# KiCad board Chameleon v1_0.kicad_pcb
title: Chameleon; date: 2023-08-16; rev: v1.00; company: Tweety's Wild Thinking; note: Markus Knutsson <markus.knutsson@tweety.se>; note: https://github.com/TweetyDaBird; note: Licensed under Creative Commons BY-SA 4.0 International
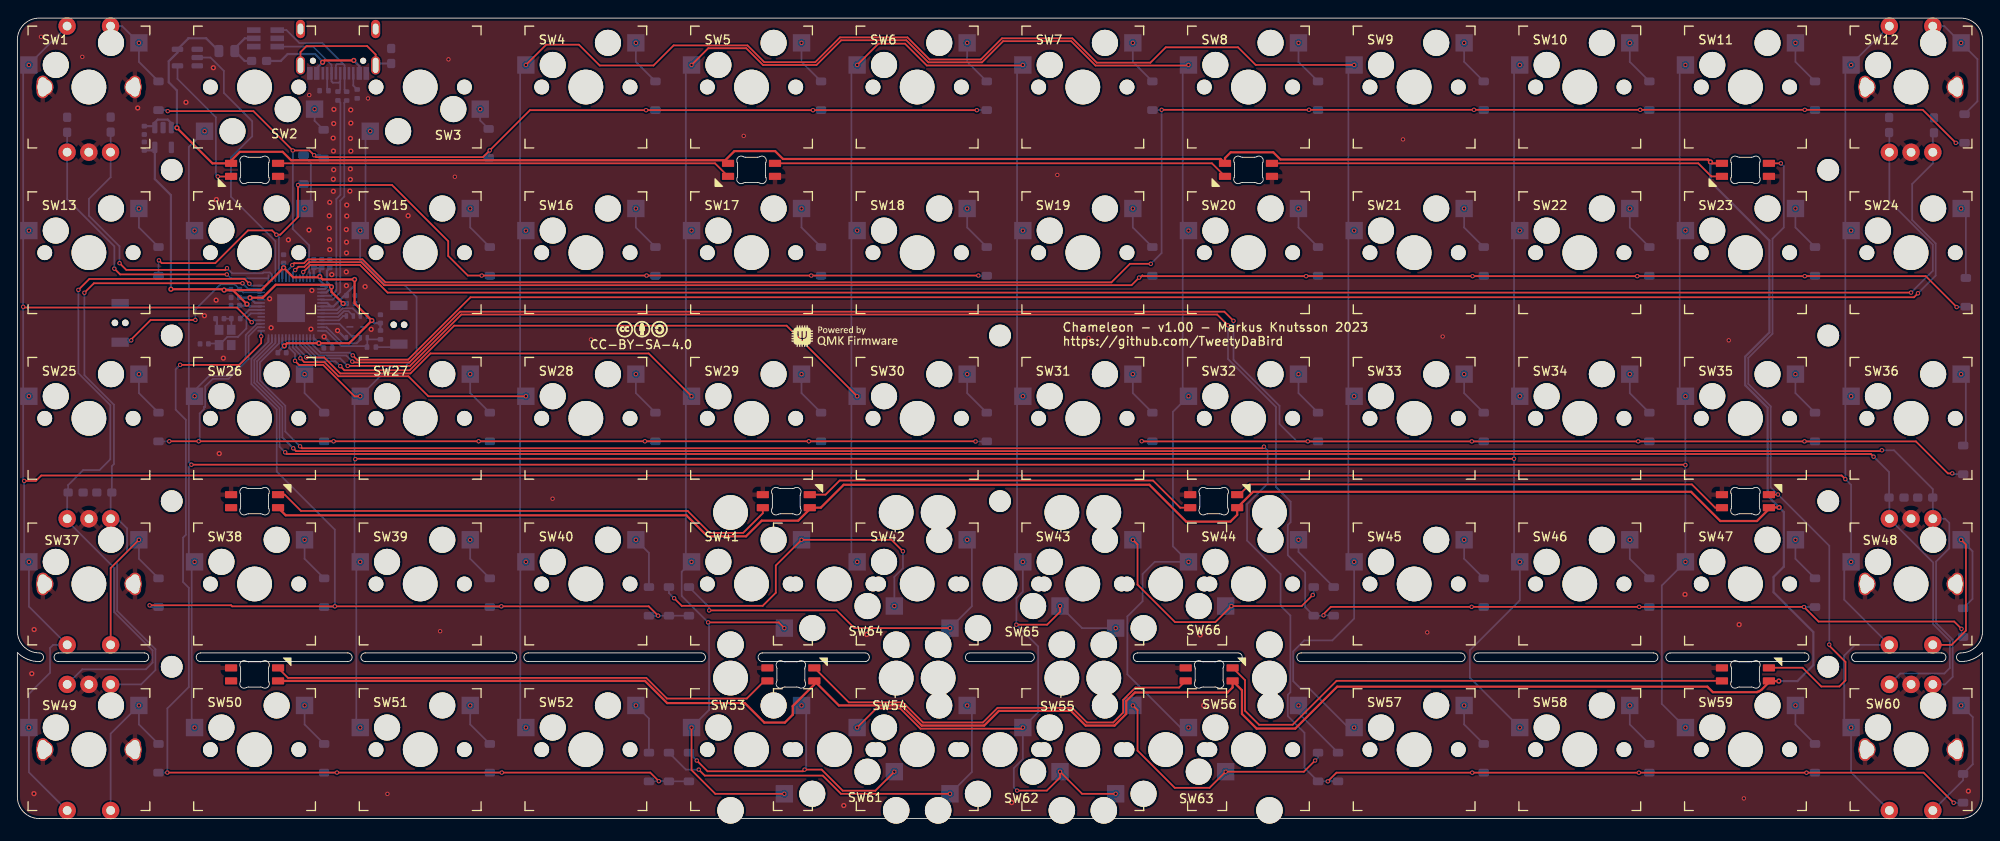
[diagram p0: board, top side]
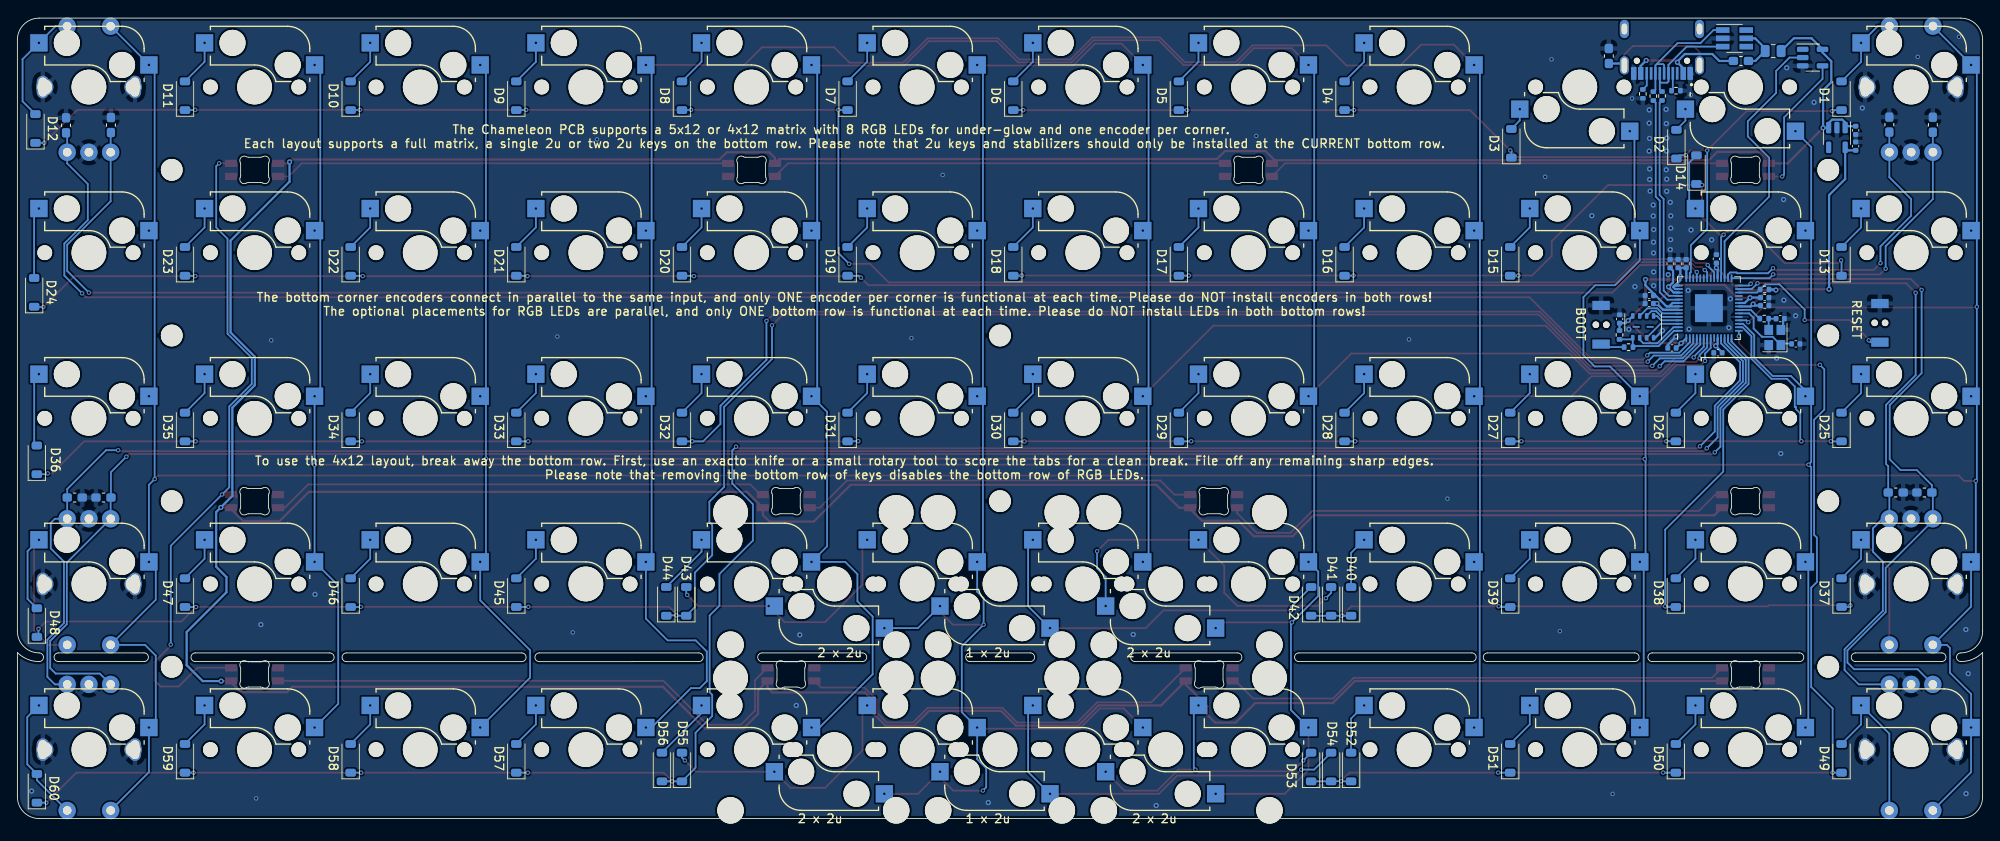
[diagram p1: board, bottom side, seen from below]

Outline 226 x 92.05 mm; copper layers: Top, Bottom. Coordinates in mm from the lower left corner of the outline.
Outline path: 2.5,18.05 arc(1.15,18.32) 0,19.09 0,2.5 arc(0.73,0.73) 2.5,0 223.5,0 arc(225.27,0.73) 226,2.5 226,19.09 arc(224.85,18.32) 223.5,18.05 ; 2.5,18.05 arc(3,18.55) 2.5,19.05 arc(0.73,19.78) 0,21.55 0,89.55 arc(0.73,91.32) 2.5,92.05 223.5,92.05 arc(225.27,91.32) 226,89.55 226,21.55 arc(225.27,19.78) 223.5,19.05 arc(223,18.55) 223.5,18.05 ; 211.44,18.05 arc(210.94,18.55) 211.44,19.05 221.28,19.05 arc(221.78,18.55) 221.28,18.05 211.44,18.05 ; 4.71,18.05 arc(4.21,18.55) 4.71,19.05 14.6,19.05 arc(15.1,18.55) 14.6,18.05 4.71,18.05 ; 21.06,19.05 37.99,19.05 arc(38.49,18.55) 37.99,18.05 21.06,18.05 arc(20.56,18.55) 21.06,19.05 ; 40,18.05 arc(39.5,18.55) 40,19.05 56.92,19.05 arc(57.42,18.55) 56.92,18.05 40,18.05 ; 58.74,18.05 arc(58.24,18.55) 58.74,19.05 78.62,19.05 arc(79.12,18.55) 78.62,18.05 58.74,18.05 ; 85.69,19.05 97.47,19.05 arc(97.97,18.55) 97.47,18.05 85.69,18.05 arc(85.19,18.55) 85.69,19.05 ; 109.53,18.05 arc(109.03,18.55) 109.53,19.05 116.44,19.05 arc(116.94,18.55) 116.44,18.05 109.53,18.05 ; 128.82,19.05 140.37,19.05 arc(140.87,18.55) 140.37,18.05 128.82,18.05 arc(128.32,18.55) 128.82,19.05 ; 147.63,18.05 arc(147.13,18.55) 147.63,19.05 165.98,19.04 arc(166.48,18.54) 165.98,18.04 147.63,18.05 ; 168,19.04 188.16,19.04 arc(188.66,18.54) 188.16,18.04 168,18.04 arc(167.5,18.54) 168,19.04 ; 190.07,18.04 arc(189.57,18.54) 190.07,19.04 205.53,19.05 arc(206.03,18.55) 205.53,18.05 190.07,18.04
Stack: Top 0.035mm / dielectric 1.51mm FR4 er 4.5 / Bottom 0.035mm

## Placement (name value [footprint] x y rotation side)
C1  1u  [C_0402_1005Metric]  35.02 63.81 90 bottom
C2  100n  [C_0402_1005Metric]  30.44 53.56 0 bottom
C3  100n  [C_0402_1005Metric]  30.61 64.36 90 bottom
C4  100n  [C_0402_1005Metric]  35.72 54.11 0 bottom
C5  100n  [C_0402_1005Metric]  38.33 60.14 0 bottom
C6  100n  [C_0402_1005Metric]  25.05 58.99 180 bottom
C7  100n  [C_0402_1005Metric]  34.09 63.81 90 bottom
C8  1u  [C_0402_1005Metric]  25.05 59.91 180 bottom
C9  100n  [C_0402_1005Metric]  35.94 63.81 90 bottom
C10  100n  [C_0402_1005Metric]  38.33 59.22 0 bottom
C11  1u  [C_0402_1005Metric]  14.59 79.14 270 bottom
C12  1u  [C_0402_1005Metric]  14.59 77.32 90 bottom
C13  100n  [C_0402_1005Metric]  41.75 57.45 90 bottom
C14  30p  [C_0402_1005Metric]  21.48 54.58 180 bottom
C15  30p  [C_0402_1005Metric]  23.27 57.48 180 bottom
C16  100nF  [C_0603_1608Metric_Pad1.08x0.95mm_HandSolder]  5.73 79.78 90 bottom
C17  100nF  [C_0603_1608Metric_Pad1.08x0.95mm_HandSolder]  10.73 79.8 270 bottom
C18  100nF  [C_0603_1608Metric_Pad1.08x0.95mm_HandSolder]  215.25 79.75 90 bottom
C19  100nF  [C_0603_1608Metric_Pad1.08x0.95mm_HandSolder]  220.41 79.72 270 bottom
C20  100nF  [C_0603_1608Metric_Pad1.08x0.95mm_HandSolder]  9.99 37.49 180 bottom
C21  100nF  [C_0603_1608Metric_Pad1.08x0.95mm_HandSolder]  6.7 37.49 180 bottom
C22  100nF  [C_0603_1608Metric_Pad1.08x0.95mm_HandSolder]  219.41 36.91 180 bottom
C23  100nF  [C_0603_1608Metric_Pad1.08x0.95mm_HandSolder]  216.1 36.91 180 bottom
D1  1N4148W  [D_SOD-123]  16.23 83.12 90 bottom
D2  1N4148W  [D_SOD-123]  35.22 77.55 90 bottom
D3  1N4148W  [D_SOD-123]  54.19 77.65 90 bottom
D4  1N4148W  [D_SOD-123]  73.38 83.12 90 bottom
D5  1N4148W  [D_SOD-123]  92.42 83.12 90 bottom
D6  1N4148W  [D_SOD-123]  111.47 83.12 90 bottom
D7  1N4148W  [D_SOD-123]  130.53 83.12 90 bottom
D8  1N4148W  [D_SOD-123]  149.57 83.12 90 bottom
D9  1N4148W  [D_SOD-123]  168.62 83.12 90 bottom
D10  1N4148W  [D_SOD-123]  187.68 83.12 90 bottom
D11  1N4148W  [D_SOD-123]  206.72 83.12 90 bottom
D12  1N4148W  [D_SOD-123]  223.92 79.36 90 bottom
D13  1N4148W  [D_SOD-123]  16.23 64.07 90 bottom
D14  1N4148W  [D_SOD-123]  32.91 74.62 90 bottom
D15  1N4148W  [D_SOD-123]  54.33 64.07 90 bottom
D16  1N4148W  [D_SOD-123]  73.38 64.07 90 bottom
D17  1N4148W  [D_SOD-123]  92.42 64.07 90 bottom
D18  1N4148W  [D_SOD-123]  111.47 64.07 90 bottom
D19  1N4148W  [D_SOD-123]  130.53 64.07 90 bottom
D20  1N4148W  [D_SOD-123]  149.57 64.07 90 bottom
D21  1N4148W  [D_SOD-123]  168.62 64.07 90 bottom
D22  1N4148W  [D_SOD-123]  187.68 64.07 90 bottom
D23  1N4148W  [D_SOD-123]  206.72 64.07 90 bottom
D24  1N4148W  [D_SOD-123]  224.08 60.51 90 bottom
D25  1N4148W  [D_SOD-123]  16.23 45.02 90 bottom
D26  1N4148W  [D_SOD-123]  35.28 45.02 90 bottom
D27  1N4148W  [D_SOD-123]  54.33 45.02 90 bottom
D28  1N4148W  [D_SOD-123]  73.38 45.02 90 bottom
D29  1N4148W  [D_SOD-123]  92.42 45.02 90 bottom
D30  1N4148W  [D_SOD-123]  111.47 45.02 90 bottom
D31  1N4148W  [D_SOD-123]  130.53 45.02 90 bottom
D32  1N4148W  [D_SOD-123]  149.57 45.02 90 bottom
D33  1N4148W  [D_SOD-123]  168.62 45.02 90 bottom
D34  1N4148W  [D_SOD-123]  187.68 45.02 90 bottom
D35  1N4148W  [D_SOD-123]  206.72 45.02 90 bottom
D36  1N4148W  [D_SOD-123]  223.77 41.25 90 bottom
D37  1N4148W  [D_SOD-123]  16.23 25.97 90 bottom
D38  1N4148W  [D_SOD-123]  35.28 25.97 90 bottom
D39  1N4148W  [D_SOD-123]  54.33 25.97 90 bottom
D40  1N4148W  [D_SOD-123]  72.62 24.97 90 bottom
D41  1N4148W  [D_SOD-123]  74.92 24.97 90 bottom
D42  1N4148W  [D_SOD-123]  77.22 24.97 90 bottom
D43  1N4148W  [D_SOD-123]  149.07 24.97 90 bottom
D44  1N4148W  [D_SOD-123]  151.38 24.97 90 bottom
D45  1N4148W  [D_SOD-123]  168.62 25.97 90 bottom
D46  1N4148W  [D_SOD-123]  187.68 25.97 90 bottom
D47  1N4148W  [D_SOD-123]  206.72 25.97 90 bottom
D48  1N4148W  [D_SOD-123]  223.76 22.53 90 bottom
D49  1N4148W  [D_SOD-123]  16.23 6.92 90 bottom
D50  1N4148W  [D_SOD-123]  35.28 6.92 90 bottom
D51  1N4148W  [D_SOD-123]  54.33 6.92 90 bottom
D52  1N4148W  [D_SOD-123]  72.62 5.92 90 bottom
D53  1N4148W  [D_SOD-123]  77.22 5.92 90 bottom
D54  1N4148W  [D_SOD-123]  74.92 5.92 90 bottom
D55  1N4148W  [D_SOD-123]  149.57 5.92 90 bottom
D56  1N4148W  [D_SOD-123]  151.88 5.92 90 bottom
D57  1N4148W  [D_SOD-123]  168.62 6.92 90 bottom
D58  1N4148W  [D_SOD-123]  187.68 6.92 90 bottom
D59  1N4148W  [D_SOD-123]  206.72 6.92 90 bottom
D60  1N4148W  [D_SOD-123]  223.76 3.48 90 bottom
ENC1  RotaryEncoder_Switch  [Encoder_Alps_EC11E_Small]  8.21 84.13 90 top
ENC2  RotaryEncoder_Switch  [Encoder_Alps_EC11E_Small]  217.78 84.12 90 top
ENC3  RotaryEncoder_Switch  [Encoder_Alps_EC11E_Small]  8.23 26.97 270 top
ENC4  RotaryEncoder_Switch  [Encoder_Alps_EC11E_Small]  217.78 26.97 270 top
ENC5  RotaryEncoder_Switch  [Encoder_Alps_EC11E_Small]  8.23 7.92 270 top
ENC6  RotaryEncoder_Switch  [Encoder_Alps_EC11E_Small]  217.78 7.92 270 top
F1  500 mA  [R_0805_2012Metric]  24.09 88.26 180 bottom
FB1  Ferrite Bead  [C_0603_1608Metric_Pad1.08x0.95mm_HandSolder]  27.8 87.12 180 bottom
FB2  Ferrite Bead  [C_0603_1608Metric_Pad1.08x0.95mm_HandSolder]  42.98 87.69 90 bottom
H1  Spacer_PCB  [Spacer Plate hole]  17.75 55.55 0 top
H2  Spacer_PCB  [Spacer Plate hole]  17.75 17.45 0 top
H3  Spacer_PCB  [Spacer Plate hole]  113 36.5 0 top
H4  Spacer_PCB  [Spacer Plate hole]  208.25 55.55 0 top
H5  Spacer_PCB  [Spacer Plate hole]  208.25 17.45 0 top
H6  Spacer_PCB  [Spacer Plate hole]  17.75 74.6 0 top
H7  Spacer_PCB  [Spacer Plate hole]  208.25 74.6 0 top
H8  Spacer_PCB  [Spacer Plate hole]  208.25 36.5 0 top
H9  Spacer_PCB  [Spacer Plate hole]  113 55.55 0 top
H10  Spacer_PCB  [Spacer Plate hole]  17.75 36.5 0 top
J1  USB_C_Receptacle_USB2.0  [HRO_TYPE-C-31-M-12]  36.88 90.8 0 bottom
Logo1  CC-BY-SA-4.0  [CC_BY_SA_40_tiny]  71.83 56.27 0 top
Logo2  QMK_Logo  [Powered_by_QMK]  95.14 55.49 0 top
R1  5.1K  [R_0402_1005Metric]  35.27 83.7 0 bottom
R2  5.1K  [R_0402_1005Metric]  39.08 83.33 270 bottom
R3  10k  [R_0402_1005Metric]  25.07 60.84 0 bottom
R4  1k  [R_0402_1005Metric]  40.72 54.21 0 bottom
R5  27R  [R_0402_1005Metric]  37.86 83.08 90 bottom
R6  27R  [R_0402_1005Metric]  36.86 83.09 90 bottom
R7  10k  [R_0402_1005Metric]  41.75 55.61 270 bottom
R10  1k  [R_0402_1005Metric]  25.12 57.49 180 bottom
RGB1  SK6812MINI-E  [RGB_SK6812MINI-E]  27.27 74.6 180 bottom
RGB2  SK6812MINI-E  [RGB_SK6812MINI-E]  84.42 74.6 180 bottom
RGB3  SK6812MINI-E  [RGB_SK6812MINI-E]  141.57 74.6 180 bottom
RGB4  SK6812MINI-E  [RGB_SK6812MINI-E]  198.72 74.6 180 bottom
RGB5  SK6812MINI-E  [RGB_SK6812MINI-E]  198.72 36.5 0 bottom
RGB6  SK6812MINI-E  [RGB_SK6812MINI-E]  137.57 36.5 0 bottom
RGB7  SK6812MINI-E  [RGB_SK6812MINI-E]  88.42 36.5 0 bottom
RGB8  SK6812MINI-E  [RGB_SK6812MINI-E]  27.27 36.5 0 bottom
RGB9  SK6812MINI-E  [RGB_SK6812MINI-E]  198.72 16.57 0 bottom
RGB10  SK6812MINI-E  [RGB_SK6812MINI-E]  137.05 16.57 0 bottom
RGB11  SK6812MINI-E  [RGB_SK6812MINI-E]  88.95 16.57 0 bottom
RGB12  SK6812MINI-E  [RGB_SK6812MINI-E]  27.27 16.57 0 bottom
ST1  Stabilizer_2u_MX  [Stabilizer_Cherry_MX_2.00u]  113 7.92 180 top
ST2  Stabilizer_2u_MX  [Stabilizer_Cherry_MX_2.00u]  93.95 7.92 180 top
ST3  Stabilizer_2u_MX  [Stabilizer_Cherry_MX_2.00u]  132.05 7.92 180 top
ST4  Stabilizer_2u_MX  [Stabilizer_Cherry_MX_2.00u]  93.95 26.97 180 top
ST5  Stabilizer_2u_MX  [Stabilizer_Cherry_MX_2.00u]  113 26.97 180 top
ST6  Stabilizer_2u_MX  [Stabilizer_Cherry_MX_2.00u]  132.05 26.97 180 top
SW1  ~  [SW_MX_HotSwap_FOR ENCODER]  8.23 84.12 0 top
SW2  ~  [SW_MX_HotSwap]  27.27 84.12 180 top
SW3  ~  [SW_MX_HotSwap]  46.33 84.12 180 top
SW4  ~  [SW_MX_HotSwap]  65.38 84.12 0 top
SW5  ~  [SW_MX_HotSwap]  84.42 84.12 0 top
SW6  ~  [SW_MX_HotSwap]  103.47 84.12 0 top
SW7  ~  [SW_MX_HotSwap]  122.53 84.12 0 top
SW8  ~  [SW_MX_HotSwap]  141.57 84.12 0 top
SW9  ~  [SW_MX_HotSwap]  160.62 84.12 0 top
SW10  ~  [SW_MX_HotSwap]  179.68 84.12 0 top
SW11  ~  [SW_MX_HotSwap]  198.72 84.12 0 top
SW12  ~  [SW_MX_HotSwap_FOR ENCODER]  217.78 84.12 0 top
SW13  ~  [SW_MX_HotSwap]  8.23 65.07 0 top
SW14  ~  [SW_MX_HotSwap]  27.27 65.07 0 top
SW15  ~  [SW_MX_HotSwap]  46.33 65.07 0 top
SW16  ~  [SW_MX_HotSwap]  65.38 65.07 0 top
SW17  ~  [SW_MX_HotSwap]  84.42 65.07 0 top
SW18  ~  [SW_MX_HotSwap]  103.47 65.07 0 top
SW19  ~  [SW_MX_HotSwap]  122.53 65.07 0 top
SW20  ~  [SW_MX_HotSwap]  141.57 65.07 0 top
SW21  ~  [SW_MX_HotSwap]  160.62 65.07 0 top
SW22  ~  [SW_MX_HotSwap]  179.68 65.07 0 top
SW23  ~  [SW_MX_HotSwap]  198.72 65.07 0 top
SW24  ~  [SW_MX_HotSwap]  217.78 65.07 0 top
SW25  ~  [SW_MX_HotSwap]  8.23 46.02 0 top
SW26  ~  [SW_MX_HotSwap]  27.27 46.02 0 top
SW27  ~  [SW_MX_HotSwap]  46.33 46.02 0 top
SW28  ~  [SW_MX_HotSwap]  65.38 46.02 0 top
SW29  ~  [SW_MX_HotSwap]  84.42 46.02 0 top
SW30  ~  [SW_MX_HotSwap]  103.47 46.02 0 top
SW31  ~  [SW_MX_HotSwap]  122.53 46.02 0 top
SW32  ~  [SW_MX_HotSwap]  141.57 46.02 0 top
SW33  ~  [SW_MX_HotSwap]  160.62 46.02 0 top
SW34  ~  [SW_MX_HotSwap]  179.68 46.02 0 top
SW35  ~  [SW_MX_HotSwap]  198.72 46.02 0 top
SW36  ~  [SW_MX_HotSwap]  217.78 46.02 0 top
SW37  ~  [SW_MX_HotSwap_FOR ENCODER]  8.23 26.97 0 top
SW38  ~  [SW_MX_HotSwap]  27.27 26.97 0 top
SW39  ~  [SW_MX_HotSwap]  46.33 26.97 0 top
SW40  ~  [SW_MX_HotSwap]  65.38 26.97 0 top
SW41  ~  [SW_MX_HotSwap]  84.42 26.97 0 top
SW42  ~  [SW_MX_HotSwap]  103.47 26.97 0 top
SW43  ~  [SW_MX_HotSwap]  122.53 26.97 0 top
SW44  ~  [SW_MX_HotSwap]  141.57 26.97 0 top
SW45  ~  [SW_MX_HotSwap]  160.62 26.97 0 top
SW46  ~  [SW_MX_HotSwap]  179.68 26.97 0 top
SW47  ~  [SW_MX_HotSwap]  198.72 26.97 0 top
SW48  ~  [SW_MX_HotSwap_FOR ENCODER]  217.78 26.97 0 top
SW49  ~  [SW_MX_HotSwap_FOR ENCODER]  8.23 7.92 0 top
SW50  ~  [SW_MX_HotSwap]  27.27 7.92 0 top
SW51  ~  [SW_MX_HotSwap]  46.33 7.92 0 top
SW52  ~  [SW_MX_HotSwap]  65.38 7.92 0 top
SW53  ~  [SW_MX_HotSwap]  84.42 7.92 0 top
SW54  ~  [SW_MX_HotSwap]  103.47 7.92 0 top
SW55  ~  [SW_MX_HotSwap]  122.53 7.92 0 top
SW56  ~  [SW_MX_HotSwap]  141.57 7.92 0 top
SW57  ~  [SW_MX_HotSwap]  160.62 7.92 0 top
SW58  ~  [SW_MX_HotSwap]  179.68 7.92 0 top
SW59  ~  [SW_MX_HotSwap]  198.72 7.92 0 top
SW60  ~  [SW_MX_HotSwap_FOR ENCODER]  217.78 7.92 0 top
SW61  ~  [SW_MX_HotSwap]  93.95 7.92 180 top
SW62  ~  [SW_MX_HotSwap]  113 7.92 180 top
SW63  ~  [SW_MX_HotSwap]  132.05 7.92 180 top
SW64  ~  [SW_MX_HotSwap]  93.95 26.97 180 top
SW65  ~  [SW_MX_HotSwap]  113 26.97 180 top
SW66  ~  [SW_MX_HotSwap]  132.05 26.97 180 top
SW67  SW_Push  [YTSA010]  11.81 57 270 bottom
SW68  SW_Push  [YTSA010]  43.88 56.78 270 bottom
U1  SPX3819M5-L-3-3/TR  [SOT-23-5]  16.75 78.32 270 bottom
U2  W25Q32JVUUIQ  [USON-8_4x3mm_P0.8mm]  39.03 56.54 90 bottom
U3  RP2040  [QFN-56-1EP_7x7mm_P0.4mm_EP3.2x3.2mm]  31.47 58.69 90 bottom
U4  SN74LV1T34DBV  [SOT-23-5]  19.55 87.51 180 bottom
U5  SRV05-4  [SOT-23-6_Handsoldering]  28.53 89.72 180 bottom
Y1  TXM12M0004252LBCEO00T  [Crystal_SMD_2520-4Pin_2.5x2.0mm]  23.89 55.32 90 bottom

## Library data of the parts
C1-C15 = -: Description: Unpolarized capacitor
C16-C23 = -: Description: Unpolarized capacitor, small symbol
D1-D60 = -: Description: 75V 0.15A Fast Switching Diode, SOD-123; Sim.Device: D; Sim.Pins: 1=K 2=A
ENC1-ENC6 = -: Description: Rotary encoder, dual channel, incremental quadrate outputs, with switch
F1 = -: Description: Resettable fuse, polymeric positive temperature coefficient, small symbol
FB1 FB2 = -: Description: Ferrite bead, small symbol; LCSC: C882974
J1 = -: Description: USB 2.0-only Type-C Receptacle connector
Logo1 Logo2 = -: Sim.Enable: 0
R1 R2 R5 R6 = -: Description: Resistor, small symbol
R3 R4 R7 R10 = -: Description: Resistor
RGB1-RGB12 = -: Description: RGB LED with integrated controller; Field4: 1
SW1-SW68 = -: Description: Push button switch, generic, two pins
U1 = -: Description: 500mA Low drop-out regulator, Fixed Output 3.3V, SOT-23-5
U2 = -: Description: 32Mb Serial Flash Memory, Standard/Dual/Quad SPI, SOIC-8; LCSC: C2999380
U3 = -: Description: A microcontroller by Raspberry Pi
U4 = -: Description: Single Power Supply, Single Buffer GATE, CMOS Logic, Level Shifter, SOT-23-5
U5 = -: Description: ESD Protection Diodes with Low Clamping Voltage, SOT-23-6; LCSC: C558418
Y1 = -: Description: Four pin crystal, GND on pins 2 and 4; PartNo: C284156

## Footprints (pads in the part's own frame, mm; a bottom-side part is the same pattern mirrored in y, then rotated)
C_0402_1005Metric
  rrect 0.56x0.62 smd: 1(-0.48,0) 2(0.48,0)
C_0603_1608Metric_Pad1.08x0.95mm_HandSolder
  rrect 1.075x0.95 smd: 1(-0.863,0) 2(0.863,0)
Crystal_SMD_2520-4Pin_2.5x2.0mm
  rect 1.15x1 smd: 1(-0.875,-0.7) 2(0.875,-0.7) 3(0.875,0.7) 4(-0.875,0.7)
D_SOD-123
  rrect 0.9x1.2 smd: 1(-1.65,0) 2(1.65,0)
Encoder_Alps_EC11E_Small
  round 2 hole 1: A(-7.5,2.5) B(-7.5,-2.5) C(-7.5,0) S1(7,-2.5) S2(7,2.5)
  oval 2.6x1.4 hole 2.2x1: MP1(0,5.3) MP2(0,-5.3)
HRO_TYPE-C-31-M-12
  round 0.7 hole 0.7 unplated: (-2.89,3.65) (2.89,3.65)
  rect 0.6x1.45 smd: A1(-3.25,5.095) A4(-2.45,5.095) A9(2.45,5.095) A12(3.25,5.095) B1(-3.25,5.095) B4(-2.45,5.095) B9(2.45,5.095) B12(3.25,5.095)
  rect 0.3x1.45 smd: A5(-1.25,5.095) A6(-0.25,5.095) A7(0.25,5.095) A8(1.25,5.095) B5(1.75,5.095) B6(0.75,5.095) B7(-0.75,5.095) B8(-1.75,5.095)
  oval 1.05x2.1 hole 0.65x1.75: S1(-4.32,4.18) S1(4.32,4.18)
  oval 1.05x2.1 hole 0.65x1.25: S2(-4.32,0) S2(4.32,0)
QFN-56-1EP_7x7mm_P0.4mm_EP3.2x3.2mm
  rrect 1.29x1.29 smd: (-0.8,-0.8) (-0.8,0.8) (0.8,-0.8) (0.8,0.8)
  rrect 0.875x0.2 smd: 1(-3.438,2.6) 2(-3.438,2.2) 3(-3.438,1.8) 4(-3.438,1.4) 5(-3.438,1) 6(-3.438,0.6) 7(-3.438,0.2) 8(-3.438,-0.2) 9(-3.438,-0.6) 10(-3.438,-1) 11(-3.438,-1.4) 12(-3.438,-1.8) 13(-3.438,-2.2) 14(-3.438,-2.6) 29(3.438,-2.6) 30(3.438,-2.2) 31(3.438,-1.8) 32(3.438,-1.4) 33(3.438,-1) 34(3.438,-0.6) 35(3.438,-0.2) 36(3.438,0.2) 37(3.438,0.6) 38(3.438,1) 39(3.438,1.4) 40(3.438,1.8) 41(3.438,2.2) 42(3.438,2.6)
  rrect 0.2x0.875 smd: 15(-2.6,-3.438) 16(-2.2,-3.438) 17(-1.8,-3.438) 18(-1.4,-3.438) 19(-1,-3.438) 20(-0.6,-3.438) 21(-0.2,-3.438) 22(0.2,-3.438) 23(0.6,-3.438) 24(1,-3.438) 25(1.4,-3.438) 26(1.8,-3.438) 27(2.2,-3.438) 28(2.6,-3.438) 43(2.6,3.438) 44(2.2,3.438) 45(1.8,3.438) 46(1.4,3.438) 47(1,3.438) 48(0.6,3.438) 49(0.2,3.438) 50(-0.2,3.438) 51(-0.6,3.438) 52(-1,3.438) 53(-1.4,3.438) 54(-1.8,3.438) 55(-2.2,3.438) 56(-2.6,3.438)
  rect 3.2x3.2 smd: 57(0,0)
R_0402_1005Metric
  rrect 0.54x0.64 smd: 1(-0.51,0) 2(0.51,0)
R_0805_2012Metric
  rrect 1.025x1.4 smd: 1(-0.912,0) 2(0.912,0)
RGB_SK6812MINI-E
  rrect 1.4x0.82 smd far side: 1(-2.7,0.75) 2(-2.7,-0.75) 3(2.7,-0.75) 4(2.7,0.75)
SOT-23-5
  rrect 1.325x0.6 smd: 1(-1.137,0.95) 2(-1.137,0) 3(-1.137,-0.95) 4(1.137,-0.95) 5(1.137,0.95)
SOT-23-6_Handsoldering
  rect 1.56x0.65 smd: 1(-1.35,0.95) 2(-1.35,0) 3(-1.35,-0.95) 4(1.35,-0.95) 5(1.35,0) 6(1.35,0.95)
Spacer Plate hole
  round 2.5 hole 2.5 unplated: (0,0)
Stabilizer_Cherry_MX_2.00u
  round 3.048 hole 3.048 unplated: (-11.938,6.985) (11.938,6.985)
  round 3.988 hole 3.988 unplated: (-11.938,-8.225) (11.938,-8.225)
SW_MX_HotSwap
  round 1.702 hole 1.702 unplated: (-5.08,0) (5.08,0)
  round 3 hole 3 unplated: (-3.81,2.54) (2.54,5.08)
  round 3.988 hole 3.988 unplated: (0,0)
  rect 2x2 smd far side: 1(-6.9,2.54) 2(5.75,5.08)
SW_MX_HotSwap_FOR ENCODER
  round 3 hole 3 unplated: (-3.81,2.54) (2.54,5.08)
  round 3.988 hole 3.988 unplated: (0,0)
  rect 2x2 smd far side: 1(-6.9,2.54) 2(5.75,5.08)
  round 2 hole 1.702: 3(-5.08,0) 3(5.08,0)
USON-8_4x3mm_P0.8mm
  rrect 0.75x1.21 smd: (0,-0.8) (0,0.8)
  rrect 0.65x0.4 smd: 1(-1.25,1.2) 2(-1.25,0.4) 3(-1.25,-0.4) 4(-1.25,-1.2) 5(1.25,-1.2) 6(1.25,-0.4) 7(1.25,0.4) 8(1.25,1.2)
  rect 0.2x0.8 smd: 9(0,-0.8) 9(0,0.8)
YTSA010
  round 0.75 hole 0.75 unplated: (0,-0.6) (0,0.6)
  rect 1.05x2 smd: 1(-2.225,0) 2(2.225,0)

## Nets
+1V1: C8.1 C9.1 C10.1 U3.23 U3.45 U3.50
+3V3: C1.1 C2.1 C3.1 C4.1 C5.1 C6.1 C7.1 C12.1 C13.1 R3.1 R7.1 U1.5 U2.8 U3.1 U3.10 U3.22 U3.33 U3.42 U3.43 U3.44 U3.48 U3.49
+5V: C11.1 F1.2 RGB1.4 RGB2.4 RGB3.4 RGB4.4 RGB5.4 RGB6.4 RGB7.4 RGB8.4 RGB9.4 RGB10.4 RGB11.4 RGB12.4 U1.1 U1.3 U4.5
GND: C1.2 C2.2 C3.2 C4.2 C5.2 C6.2 C7.2 C8.2 C9.2 C10.2 C11.2 C12.2 C13.2 C14.2 C15.2 C16.2 C17.1 C18.2 C19.1 C20.2 C21.1 C22.2 C23.1 ENC1.C ENC1.MP1 ENC1.MP2 ENC2.C ENC2.MP1 ENC2.MP2 ENC3.C ENC3.MP1 ENC3.MP2 ENC4.C ENC4.MP1 ENC4.MP2 ENC5.C ENC5.MP1 ENC5.MP2 ENC6.C ENC6.MP1 ENC6.MP2 FB2.2 J1.A1 J1.A12 J1.B1 J1.B12 R1.1 R2.2 RGB1.2 RGB2.2 RGB3.2 RGB4.2 RGB5.2 RGB6.2 RGB7.2 RGB8.2 RGB9.2 RGB10.2 RGB11.2 RGB12.2 SW1.3 SW12.3 SW37.3 SW48.3 SW49.3 SW60.3 SW67.1 SW68.1 U1.2 U2.4 U3.19 U3.57 U4.3 U5.2 Y1.2 Y1.4
VBUS: F1.1 FB1.2 U5.5
/DN: R6.1 U3.46
/DP: R5.1 U3.47
Col_0: ENC1.S2 ENC2.S2 ENC3.S1 ENC4.S1 ENC5.S1 ENC6.S1 SW1.1 SW12.1 SW13.1 SW24.1 SW25.1 SW36.1 SW37.1 SW48.1 SW49.1 SW60.1 U3.18
Col_1: SW2.2 SW11.1 SW14.1 SW23.1 SW26.1 SW35.1 SW38.1 SW47.1 SW50.1 SW59.1 U3.17
Col_2: SW3.2 SW10.1 SW15.1 SW22.1 SW27.1 SW34.1 SW39.1 SW46.1 SW51.1 SW58.1 U3.8
Col_3: SW4.1 SW9.1 SW16.1 SW21.1 SW28.1 SW33.1 SW40.1 SW45.1 SW52.1 SW57.1 U3.7
Col_4: SW5.1 SW8.1 SW17.1 SW20.1 SW29.1 SW32.1 SW41.1 SW44.1 SW53.1 SW56.1 SW61.2 SW64.2 U3.6
Col_5: SW6.1 SW7.1 SW18.1 SW19.1 SW30.1 SW31.1 SW42.1 SW43.1 SW54.1 SW55.1 SW62.1 SW63.2 SW65.1 SW66.2 U3.5
D+: J1.A6 J1.B6 R5.2 U5.1
D-: J1.A7 J1.B7 R6.2 U5.3
Earth_Protective: FB2.1 J1.S1
ENC1: D1.2 ENC1.S1 SW1.2
ENC1_A: C16.1 ENC1.A U3.29
ENC1_B: C17.2 ENC1.B U3.30
ENC2: D12.2 ENC2.S1 SW12.2
ENC2_A: C18.1 ENC2.A U3.39
ENC2_B: C19.2 ENC2.B U3.2
ENC3: D37.2 ENC3.S2 SW37.2
ENC3_A: C21.2 ENC3.B ENC5.B U3.28
ENC3_B: C20.1 ENC3.A ENC5.A U3.27
ENC4: D48.2 ENC4.S2 SW48.2
ENC4_A: C23.2 ENC4.B ENC6.B U3.13
ENC4_B: C22.1 ENC4.A ENC6.A U3.12
ENC5: D49.2 ENC5.S2 SW49.2
ENC6: D60.2 ENC6.S2 SW60.2
RGB: U3.31 U4.2
Row_0: D1.1 D2.1 D3.1 D4.1 D5.1 D6.1 U3.41
Row_1: D7.1 D8.1 D9.1 D10.1 D11.1 D12.1 U3.34
Row_2: D13.1 D14.1 D15.1 D16.1 D17.1 D18.1 U3.32
Row_3: D19.1 D20.1 D21.1 D22.1 D23.1 D24.1 U3.36
Row_4: D25.1 D26.1 D27.1 D28.1 D29.1 D30.1 U3.16
Row_5: D31.1 D32.1 D33.1 D34.1 D35.1 D36.1 U3.3
Row_6: D37.1 D38.1 D39.1 D40.1 D41.1 D42.1 U3.14
Row_7: D43.1 D44.1 D45.1 D46.1 D47.1 D48.1 U3.4
Row_8: D49.1 D50.1 D51.1 D52.1 D53.1 D54.1 U3.15
Row_9: D55.1 D56.1 D57.1 D58.1 D59.1 D60.1 U3.11
Net-(C15-Pad1): C15.1 R10.2 Y1.3
Net-(D2-A): D2.2 SW2.1
Net-(D3-A): D3.2 SW3.1
Net-(D4-A): D4.2 SW4.2
Net-(D5-A): D5.2 SW5.2
Net-(D6-A): D6.2 SW6.2
Net-(D7-A): D7.2 SW7.2
Net-(D8-A): D8.2 SW8.2
Net-(D9-A): D9.2 SW9.2
Net-(D10-A): D10.2 SW10.2
Net-(D11-A): D11.2 SW11.2
Net-(D13-A): D13.2 SW13.2
Net-(D14-A): D14.2 SW14.2
Net-(D15-A): D15.2 SW15.2
Net-(D16-A): D16.2 SW16.2
Net-(D17-A): D17.2 SW17.2
Net-(D18-A): D18.2 SW18.2
Net-(D19-A): D19.2 SW19.2
Net-(D20-A): D20.2 SW20.2
Net-(D21-A): D21.2 SW21.2
Net-(D22-A): D22.2 SW22.2
Net-(D23-A): D23.2 SW23.2
Net-(D24-A): D24.2 SW24.2
Net-(D25-A): D25.2 SW25.2
Net-(D26-A): D26.2 SW26.2
Net-(D27-A): D27.2 SW27.2
Net-(D28-A): D28.2 SW28.2
Net-(D29-A): D29.2 SW29.2
Net-(D30-A): D30.2 SW30.2
Net-(D31-A): D31.2 SW31.2
Net-(D32-A): D32.2 SW32.2
Net-(D33-A): D33.2 SW33.2
Net-(D34-A): D34.2 SW34.2
Net-(D35-A): D35.2 SW35.2
Net-(D36-A): D36.2 SW36.2
Net-(D38-A): D38.2 SW38.2
Net-(D39-A): D39.2 SW39.2
Net-(D40-A): D40.2 SW40.2
Net-(D41-A): D41.2 SW41.2 SW64.1
Net-(D42-A): D42.2 SW42.2 SW65.2
Net-(D43-A): D43.2 SW43.2 SW66.1
Net-(D44-A): D44.2 SW44.2
Net-(D45-A): D45.2 SW45.2
Net-(D46-A): D46.2 SW46.2
Net-(D47-A): D47.2 SW47.2
Net-(D50-A): D50.2 SW50.2
Net-(D51-A): D51.2 SW51.2
Net-(D52-A): D52.2 SW52.2
Net-(D53-A): D53.2 SW53.2 SW61.1
Net-(D54-A): D54.2 SW54.2 SW62.2
Net-(D55-A): D55.2 SW55.2 SW63.1
Net-(D56-A): D56.2 SW56.2
Net-(D57-A): D57.2 SW57.2
Net-(D58-A): D58.2 SW58.2
Net-(D59-A): D59.2 SW59.2
Net-(FB1-Pad1): FB1.1 J1.A4 J1.A9 J1.B4 J1.B9
Net-(J1-CC1): J1.A5 R1.2
Net-(J1-CC2): J1.B5 R2.1
Net-(R4-Pad2): R4.2 SW68.2
Net-(RGB1-DIN): RGB1.3 U4.4
Net-(RGB1-DOUT): RGB1.1 RGB2.3
Net-(RGB2-DOUT): RGB2.1 RGB3.3
Net-(RGB3-DOUT): RGB3.1 RGB4.3
Net-(RGB4-DOUT): RGB4.1 RGB5.3 RGB9.3
Net-(RGB5-DOUT): RGB5.1 RGB6.3